# KiCad board tida_010057_imported.kicad_pcb (continued)
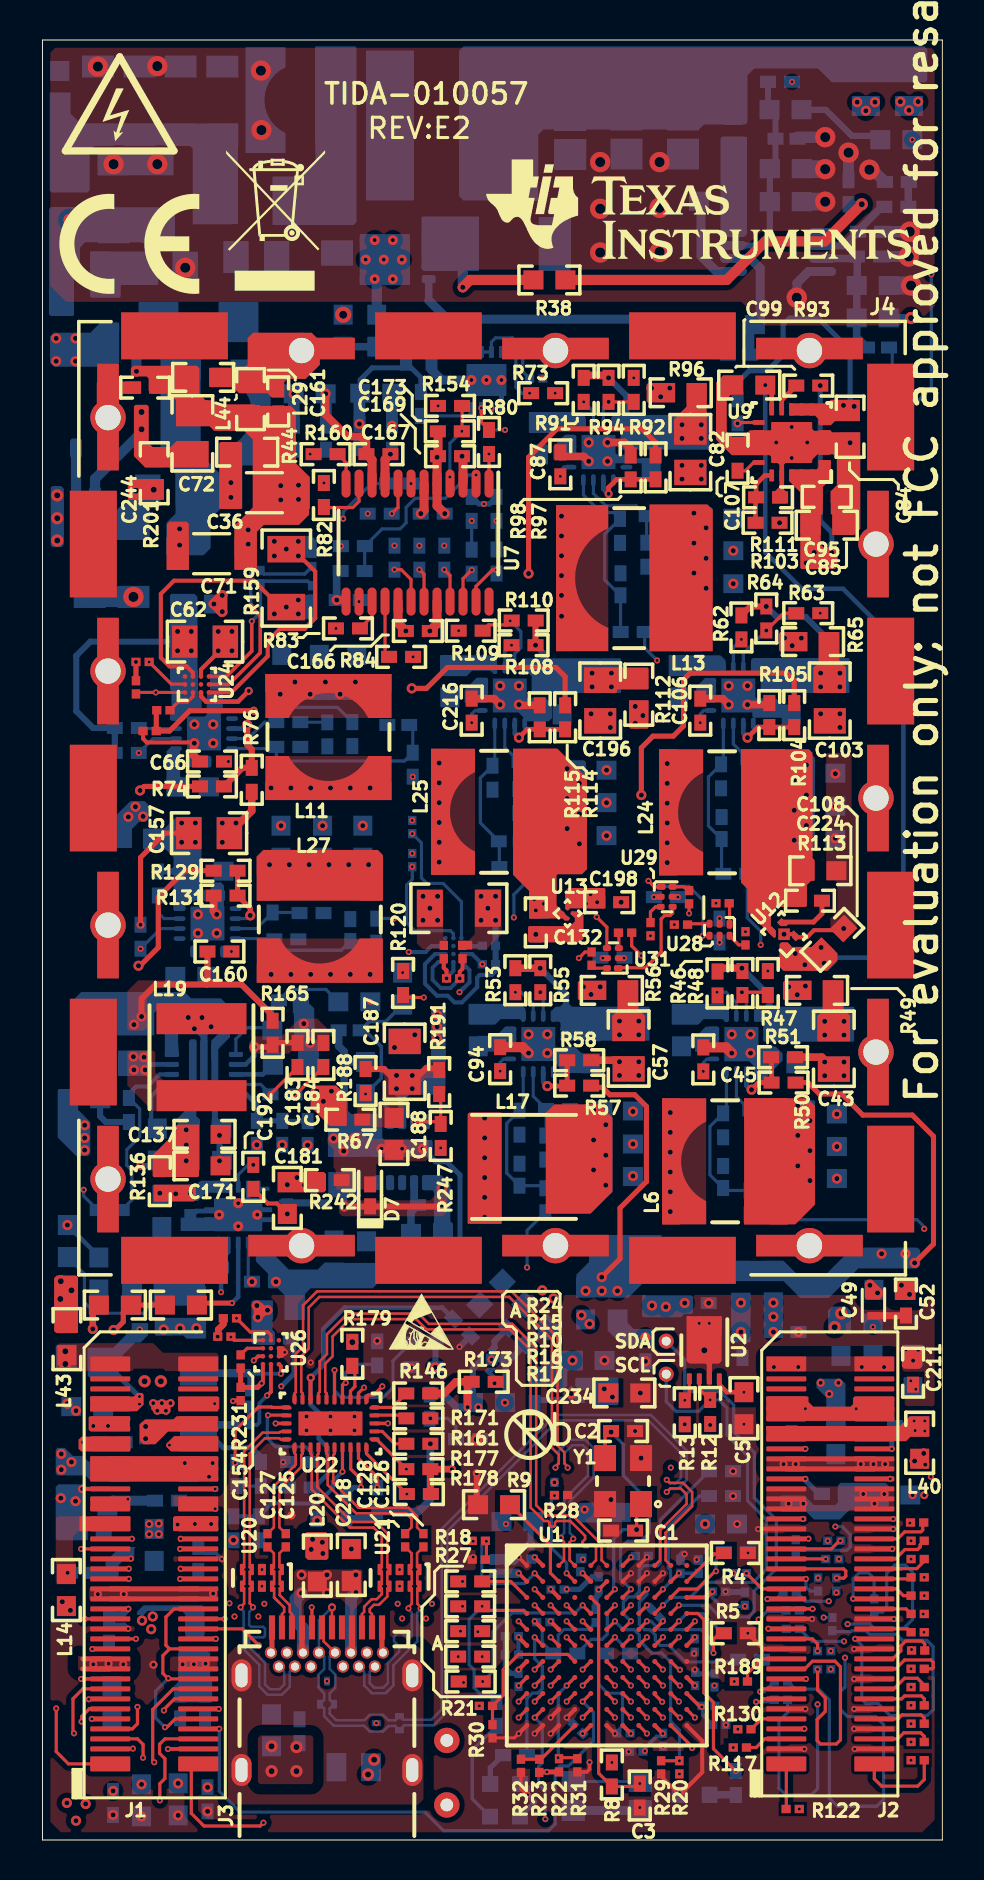
[diagram p0: board, top side]
## Copper pours and planes (outline as drawn; the poured copper is in the pictures) (continued)
HVP on Bottom Layer: 36.35,24.23 36.5,24.38 37.26,24.38 37.59,24.71 42.27,24.71 42.32,24.66 42.32,23.52 42.19,23.39 40.31,23.39 40.1,23.6 38.58,23.6 38.38,23.39 36.45,23.39 36.35,23.5
I2C_1V8 on Bottom Layer (solid shape): 29.26,25.86 29.57,25.55 30.48,25.55 30.51,25.53 30.51,24.77 30.45,24.71 29.01,24.71 28.27,25.45 28.27,26.52 29.26,26.52
NetC22_1 on Bottom Layer (solid shape): 35.26,88.24 35.59,88.57 38.79,88.57 39.47,87.88 44.15,87.88 44.25,87.99 44.25,89.53 44.09,89.69 21.06,89.69 20.83,89.46 20.83,82.19 21.06,81.97 24.79,81.97 24.79,85.27 25.04,85.52 32.82,85.52 33.07,85.78 35.14,85.78 35.26,85.89
NetC25_1 on Bottom Layer (solid shape): 11.51,80.75 15.54,80.75 15.7,80.9 15.7,89.64 15.65,89.69 13.67,89.69 13.64,89.66 13.64,84.86 13.65,84.85 13.65,83.99 12.85,83.18 11.51,83.19
NetC25_2 on Bottom Layer: 11.18,77.5 11.02,77.65 11.02,80.06 11.18,80.21 15.98,80.21 16.18,80.42 16.18,89.48 18.57,89.48 18.59,89.46 18.59,81.94 18.44,81.79 18.44,77.57 18.36,77.5
NetC26_2 on Bottom Layer (solid shape): 35.18,85.17 35.23,85.12 35.23,80.31 35.08,80.16 34.11,80.16 33.91,80.37 33.91,85.09 33.99,85.17
NetC30_1 on Bottom Layer (solid shape): 9.78,80.8 7.54,80.8 7.52,80.82 7.52,84.56 7.34,84.73 2.62,84.73 2.36,84.48 2.36,82.5 2.24,82.37 0.46,82.37 0.36,82.47 0.36,87.38 1.4,87.38 1.4,86.33 1.91,85.83 9.78,85.83
NetC35_1 on Bottom Layer: 9.32,68.81 9.35,68.78 11.58,68.78 11.61,68.81 11.61,76.15 10.51,77.25 10.51,80.17 10.41,80.26 8.61,80.26 8.46,80.11 8.46,74.55 9.32,73.69
NetC36_2 on Top Layer (solid shape): 6.22,65.79 6.35,65.91 7.21,65.91 7.32,65.81 7.32,63.5 6.22,63.5
NetC36_2 on Top Layer (solid shape): 8.92,69.9 9.91,69.9 9.98,69.82 9.98,66.57 8.84,66.57 8.84,69.82
NetC36_2 on Bottom Layer (solid shape): 6.21,65.54 6.21,65.87 6.65,66.32 6.65,68.28 6.21,68.72 5.91,68.72 5.91,74.02 7.91,74.02 7.91,69.28 9.02,68.17 9.98,68.17 9.98,66.55 8.89,66.55 8.41,66.07 8.41,64.59 8.05,64.24 6.2,64.24 6.2,65.53
NetC39_1 on Bottom Layer (solid shape): 34.32,41.55 34.06,41.81 31.47,41.81 31.47,40.79 31.5,40.77 32.79,40.77 33.07,41.05 34.01,41.05 34.14,40.92 34.26,40.92 34.32,40.97
NetC39_2 on Bottom Layer (solid shape): 33.17,40.67 33.76,40.67 33.83,40.59 33.83,39.5 33.76,39.42 32.64,39.42 32.64,40.13
NetC39_2 on Top Layer: 30.99,30.78 33.19,30.78 33.19,37.08 30.99,37.08
NetC39_2 on Bottom Layer: 30.96,30.81 30.99,30.78 33.02,30.78 33.02,37.7 32.61,38.11 32.61,39.22 32.82,39.42 33.81,39.42 33.86,39.47 33.86,40.64 33.83,40.67 33.3,40.67 32.84,40.21 31.5,40.21 30.96,39.67
NetC41_1 on Top Layer (solid shape): 38.76,41.21 39.01,41.47 39.01,42.96 39.04,42.99 40.03,42.99 40.06,42.96 40.06,41.54 40.39,41.21 40.39,39.94 38.76,39.94
NetC41_1 on Bottom Layer (solid shape): 36.38,41.9 36.6,41.67 40.56,41.67 40.59,41.64 40.59,39.97 40.54,39.92 36.09,39.92 36.04,39.97 36.04,40.81 35.93,40.92 35.64,40.92 35.59,40.97 35.59,41.64 35.61,41.67 36.09,41.67 36.31,41.9
NetC46_1 on Top Layer (solid shape): 35.09,37.08 38.25,37.08 38.63,36.7 38.63,31.78 37.64,30.78 35.09,30.78
NetC46_1 on Bottom Layer (solid shape): 38.58,36.98 38.63,36.93 38.63,32.56 38.58,32.51 37.54,32.51 37.49,32.56 37.49,36.93 37.54,36.98
NetC46_1 on Bottom Layer (solid shape): 34.44,28.96 37.06,28.96 37.77,28.24 39.14,28.24 40.51,29.62 43.76,29.62 43.89,29.49 43.89,28.73 43.74,28.58 40.79,28.58 39.32,27.1 37.9,27.1 37.06,27.94 34.44,27.94
NetC46_1 on POWER1: 39.47,28.98 39.9,28.55 44.12,28.55 44.55,28.98 44.55,36.88 44.22,37.21 37.26,37.21 37.08,37.03 37.08,30.99 37.21,30.86 38.94,30.86 39.47,30.33
NetC54_1 on Bottom Layer (solid shape): 24.16,41.55 23.9,41.81 21.31,41.81 21.31,40.79 21.34,40.77 22.63,40.77 22.91,41.05 23.88,41.05 24,40.92 24.08,40.92 24.16,41
NetC54_2 on Top Layer (solid shape): 22.91,36.37 22.96,36.32 22.96,30.84 22.94,30.81 21.29,30.81 21.26,30.84 21.26,36.3 21.34,36.37
NetC54_2 on Bottom Layer (solid shape): 21.79,40.21 22.68,40.21 23.14,40.67 23.62,40.67 23.7,40.59 23.7,39.55 23.57,39.42 21.79,39.42
NetC54_2 on Bottom Layer: 20.8,34.08 21.34,33.54 21.34,30.84 21.39,30.78 22.74,30.78 22.83,30.87 22.83,37.73 22.45,38.11 22.45,39.22 22.66,39.42 23.65,39.42 23.7,39.47 23.7,40.56 23.62,40.64 23.11,40.64 22.68,40.21 21.34,40.21 20.8,39.67
NetC56_1 on Top Layer (solid shape): 28.5,41.21 28.75,41.47 28.75,42.96 28.78,42.99 29.77,42.99 29.79,42.96 29.79,41.54 30.12,41.21 30.12,39.94 28.5,39.94
NetC56_1 on Bottom Layer (solid shape): 25.88,41.67 26.07,41.86 26.28,41.86 26.47,41.67 30.33,41.67 30.35,41.64 30.35,39.97 25.97,39.97 25.91,40.03 25.91,40.84 25.83,40.92 25.48,40.92 25.43,40.97 25.43,41.43 25.67,41.67
NetC59_1 on Bottom Layer (solid shape): 6.2,52.2 6.22,52.17 7.19,52.17 7.21,52.2 7.21,53.09 7.19,53.11 6.96,53.11 6.88,53.19 6.88,54.64 6.4,54.64 6.2,54.43
NetC59_2 on Top Layer: 17.45,51.99 17.45,54.2 11.15,54.2 11.15,51.99
NetC59_2 on Bottom Layer: 9.98,53.16 10.24,53.42 16.9,53.42 17.02,53.3 17.02,52.2 16.71,51.89 8.08,51.89 7.8,52.17 7.8,53.34 7.49,53.64 7.32,53.64 7.32,54.18 7.34,54.2 8.38,54.2 8.43,54.15 8.43,53.52 8.79,53.16
NetC61_1 on Bottom Layer (solid shape): 16.1,57.01 16.21,57.11 16.21,58.15 16.13,58.23 11.58,58.23 11.48,58.13 11.48,57.09 11.56,57.01
NetC61_1 on Bottom Layer (solid shape): 2.01,19.2 2.29,18.92 4.27,18.92 4.27,17.96 2.41,17.96 2.15,18.22 0.75,18.22 0.66,18.31 0.66,19.51 0.76,19.61 1.12,19.61 1.52,19.2
NetC61_1 on Top Layer: 11.15,56.1 11.15,58.29 17.45,58.29 17.45,56.1
NetC61_1 on POWER3: 16.05,58.8 2.26,58.8 0.38,56.92 0.38,18.44 0.86,17.96 7.77,17.96 8.48,18.67 8.48,51.31 9.86,52.68 16.08,52.68 16.64,53.24 16.64,58.22
NetC62_1 on Bottom Layer (solid shape): 6.38,60.25 6.17,60.05 6.17,59.8 6.38,59.6 6.38,57.53 6.45,57.45 6.45,56.31 6.38,56.24 6.38,56.06 6.43,56.01 6.96,56.01 6.96,56.21 7.19,56.44 7.87,56.44 7.95,56.52 7.95,56.95 7.77,57.12 7.77,58.47 7.75,58.5 7.75,62.15 7.59,62.31 6.45,62.31 6.38,62.23
NetC72_1 on Top Layer (solid shape): 6.4,69.65 6.71,69.95 8.31,69.95 8.31,68.68 8.26,68.63 5.13,68.63 4.57,69.19 4.57,71.68 4.65,71.76 5.23,71.76 5.31,71.68 5.31,69.85 5.51,69.65
NetC79_1 on Bottom Layer: 7.11,43.38 6.86,43.64 6.86,44.86 6.96,44.96 7.02,44.96 7.02,45.19 6.38,45.19 6.12,44.93 6.12,42.72 7.11,42.72
NetC79_2 on Top Layer: 17.02,42.87 17.02,45.07 10.72,45.07 10.72,45.07 10.72,42.87
NetC79_2 on Bottom Layer: 8.61,44.1 8.85,43.86 9.29,43.86 9.43,44 9.62,44 9.79,44.17 16.36,44.17 16.69,43.84 16.69,42.88 16.51,42.7 7.72,42.7 7.72,43.64 7.39,43.97 7.39,44.65 7.42,44.68 8.59,44.68 8.61,44.65
NetC80_1 on Bottom Layer (solid shape): 27.17,71.15 26.91,71.4 24.32,71.4 24.32,70.38 24.35,70.36 25.64,70.36 25.92,70.64 26.87,70.64 26.97,70.54 27.13,70.54 27.17,70.57
NetC80_2 on Bottom Layer (solid shape): 26.12,70.26 26.59,70.26 26.7,70.15 26.7,69.14 26.59,69.04 25.54,69.04 25.54,69.67
NetC80_2 on Top Layer: 25.68,59.44 28.3,59.44 28.3,66.74 25.68,66.74
NetC80_2 on Bottom Layer: 25.74,60.89 27.46,60.89 27.74,61.17 27.74,65.86 26.7,66.9 25.74,66.9 25.46,67.18 25.46,68.83 25.67,69.04 26.59,69.04 26.7,69.14 26.7,70.18 26.64,70.23 26.1,70.23 25.69,69.82 24.26,69.82 23.8,69.37 23.8,64.58 25.45,62.93 25.45,61.18
NetC81_1 on Top Layer (solid shape): 32.21,71.67 32.21,72.85 33.21,72.85 33.21,69.77 31.59,69.77 31.59,71.04
NetC81_1 on Bottom Layer (solid shape): 29.49,71.26 29.33,71.42 29.09,71.42 28.93,71.26 28.56,71.26 28.45,71.15 28.45,70.56 28.5,70.51 28.77,70.51 28.93,70.35 28.93,69.6 29.01,69.52 33.32,69.52 33.36,69.56 33.36,71.23 33.34,71.26
NetC83_1 on Top Layer (solid shape): 33.52,59.44 30.35,59.44 30.35,66.78 33.25,66.78 33.52,66.51
NetC83_1 on Top Layer (solid shape): 37.34,71.83 39.24,71.83 39.42,72.01 40.87,72.01 40.87,70.94 39.62,70.94 39.42,70.74 38.86,70.74 38.81,70.79 38.81,71.04 38.63,71.22 37.34,71.22
NetC83_1 on Bottom Layer (solid shape): 40.87,72.01 40.87,70.94 39.8,70.94 39.7,71.05 39.7,71.9 39.8,72.01
NetC83_1 on Bottom Layer (solid shape): 32.31,62.08 32.36,62.03 33.45,62.03 33.53,62.1 33.53,66.55 33.43,66.65 32.39,66.65 32.31,66.57
NetC83_1 on POWER3: 34.92,62.08 35.48,62.64 35.48,65.74 40.94,71.2 40.94,72.18 40.81,72.31 34.24,72.31 30.61,68.68 30.61,62.51 31.04,62.08
NetC96_1 on Top Layer (solid shape): 25.6,36.78 27.84,36.78 28.5,36.12 28.5,32.41 27.41,31.32 25.2,31.32 25.17,31.34 25.17,36.35
NetC96_1 on Bottom Layer (solid shape): 27.28,32.36 27.33,32.31 28.42,32.31 28.5,32.39 28.5,36.83 28.4,36.93 27.36,36.93 27.28,36.86
NetC96_1 on Bottom Layer (solid shape): 27.58,30.25 27.33,30 27.33,28.91 26.7,28.27 26.7,27.13 29.31,27.13 30.02,27.84 30.96,27.84 30.96,30.25
NetC96_1 on Bottom Layer (solid shape): 8.1,11.61 7.98,11.73 5.05,11.73 4.72,11.4 4.72,11.25 5.05,11.25 5.26,11.46 6.96,11.46 7.14,11.28 7.14,10.29 8.1,10.29
NetC96_1 on Bottom Layer: 5.33,9.98 4.72,10.59 4.72,11.25 5.11,11.63 7.9,11.63 8.1,11.43 8.1,9.98
NetC96_1 on POWER1: 29.03,32.69 29.77,31.95 29.77,27.47 29.27,26.97 27.05,26.97 26.8,27.23 26.8,31.01 25.78,32.03 25.78,36.42 26.14,36.78 28.91,36.78 29.03,36.65
NetC96_1 on POWER3: 16.07,34.91 16.07,27.14 15.01,26.09 15.01,13.13 13.41,11.53 4.95,11.53 4.47,11.05 4.47,2.9 5.46,1.91 18.62,1.91 19.71,3 19.71,14.71 20.55,15.54 20.55,26.29 21.95,27.69 26.29,27.69 27.51,28.91 29.77,28.91 30.2,29.34 30.2,36.78 29.9,37.08 18.24,37.08
NetC102_1 on Bottom Layer (solid shape): 34.16,58.98 33.91,59.23 31.32,59.23 31.32,58.22 31.34,58.19 32.64,58.19 32.92,58.47 33.86,58.47 33.99,58.34 34.11,58.34 34.16,58.39
NetC102_2 on Top Layer: 30.84,48.23 33.04,48.23 33.04,54.53 30.84,54.53
NetC102_2 on Bottom Layer: 30.81,48.26 30.83,48.23 32.66,48.23 32.66,55.36 32.46,55.56 32.46,56.67 32.66,56.87 33.66,56.87 33.68,56.9 33.68,58.04 33.63,58.09 33.12,58.09 32.69,57.66 31.34,57.66 30.81,57.12
NetC103_1 on Top Layer (solid shape): 38.56,58.62 38.81,58.88 38.81,60.38 38.84,60.4 39.83,60.4 39.85,60.38 39.85,58.95 40.18,58.62 40.18,57.35 38.56,57.35
NetC103_1 on Bottom Layer (solid shape): 39.48,59.26 39.65,59.09 40.34,59.09 40.36,59.07 40.36,57.39 40.32,57.35 35.99,57.35 35.92,57.43 35.92,58.19 35.76,58.34 35.51,58.34 35.43,58.42 35.43,59 35.52,59.09 39.1,59.09 39.26,59.26
NetC110_1 on Top Layer (solid shape): 36.63,45.26 36.53,45.16 35.26,46.43 35.26,47.55 34.94,47.87 34.94,54.53 38.33,54.53 38.51,54.36 38.51,49.1 38.61,49 38.61,47.98 38.58,47.96 38.43,47.96 38.23,47.75 38.23,46.71 38.18,46.66 36.74,46.66 36.42,46.34 36.42,45.71 36.63,45.51
NetC110_1 on Bottom Layer (solid shape): 38.63,54.1 38.51,54.23 37.36,54.23 37.24,54.1 37.24,49.66 37.36,49.53 38.51,49.53 38.63,49.66
NetC116_1 on Bottom Layer (solid shape): 7.72,40.31 7.23,40.31 7.03,40.51 7.04,40.95 7.04,41.25 7.16,41.38 8.1,41.38 8.69,40.79 8.69,40.56 8.53,40.41 8.41,40.41 8.26,40.26 8.26,36.6 8.18,36.53 7.98,36.53 7.9,36.6 7.9,40.13
NetC116_2 on Bottom Layer (solid shape): 6.8,39.75 6.78,39.77 6.78,41 6.02,41 5.99,40.97 5.99,40.38 6.12,40.25 6.12,39.19 6.15,39.17 6.81,39.17
NetC117_1 on Top Layer: 10.19,38 6.02,38 5.64,38.38 5.64,39.4 5.56,39.47 4.34,39.47 4.24,39.37 4.24,37.72 5.51,36.45 10.19,36.45
NetC117_1 on Bottom Layer: 2.82,36.12 2.36,36.58 2.36,37.8 1.96,38.2 1.55,38.2 1.55,39.47 5.16,39.47 5.74,38.89 6.78,38.89 6.78,38.66 5.66,38.66 5.21,38.2 3.76,38.2 3.4,37.85 3.4,36.6 2.92,36.12
NetC120_1 on Top Layer (solid shape): 6.68,35.41 5.51,34.24 5.51,33.2 5.56,33.15 7.77,33.15 7.82,33.2 7.82,35.76 6.73,35.76 6.68,35.71
NetC120_1 on Bottom Layer (solid shape): 6.76,36.09 7.34,36.68 7.34,39.95 7.42,40.03 7.65,40.03 7.7,39.98 7.7,36.2 7.87,36.02 7.87,33.48 6.76,33.48
NetC121_1 on Bottom Layer (solid shape): 8.13,27.03 7.82,26.72 5.74,26.72 5.56,26.9 5.56,29.36 5.69,29.49 7.19,29.49 7.85,30.15 8.89,30.15 8.89,29.54 8.52,29.54 8.13,29.15
NetC129_1 on Top Layer: 9.65,9.65 18.8,9.65 19.05,9.4 19.05,2.03 18.8,1.78 9.53,1.78 9.27,2.03 9.27,9.27
NetC129_1 on Bottom Layer: 9.4,9.65 18.8,9.65 19.05,9.4 19.05,2.03 18.8,1.78 9.4,1.78 9.14,2.03 9.14,9.4
NetC132_1 on Top Layer (solid shape): 27.23,48.54 26.97,48.29 25.76,48.29 25.7,48.23 25.7,46.74 26.37,46.08 26.37,46.05 26.29,45.97 26.11,45.97 26.01,46.08 24.36,46.08 24.33,46.1 24.33,47.46 23.53,48.26 23.53,54.56 25.76,54.56 27.23,53.09
NetC132_1 on Bottom Layer (solid shape): 25.38,46.13 25.3,46.05 24.33,46.05 24.33,47.16 24.44,47.27 25.33,47.27 25.38,47.22
NetC132_1 on Bottom Layer (solid shape): 25.96,49.4 26.01,49.35 27.1,49.35 27.18,49.43 27.18,53.87 27.08,53.98 26.04,53.98 25.96,53.9
NetC157_1 on Bottom Layer (solid shape): 6.55,48.67 6.43,48.54 6.43,48.34 6.55,48.21 6.55,46.51 6.6,46.46 7.09,46.46 7.14,46.51 7.14,46.69 7.42,46.96 8.13,46.96 8.13,47.45 7.95,47.62 7.95,51.16 6.68,51.16 6.1,50.57 5.03,50.57 5.03,49.58 5.08,49.53 6.17,49.53 6.55,49.15
NetC164_1 on Bottom Layer (solid shape): 26.87,22.5 27.43,22.5 27.51,22.43 27.51,21.84 27.61,21.74 28.75,21.74 28.8,21.79 28.8,23.06 28.75,23.11 26.7,23.11 26.64,23.06 26.64,22.73
NetC164_1 on Signal Layer 1 (solid shape): 28.68,23.5 27.84,22.66 27.84,22.45 28.4,21.89 28.68,21.89 29.01,22.23 29.01,23.36 28.87,23.5
NetC176_1 on Bottom Layer (solid shape): 22.73,58.98 22.48,59.23 19.89,59.23 19.89,58.22 19.91,58.19 21.21,58.19 21.49,58.47 22.39,58.47 22.56,58.31 22.71,58.31 22.73,58.33
NetC176_2 on Bottom Layer (solid shape): 21.72,58.12 22.23,58.12 22.28,58.06 22.28,56.92 22.23,56.87 21.11,56.87 21.11,57.51
NetC176_2 on Top Layer: 19.43,48.26 21.63,48.26 21.63,54.56 19.43,54.56
NetC176_2 on Bottom Layer: 19.38,48.26 19.41,48.23 21.41,48.23 21.41,55.18 21.03,55.56 21.03,56.67 21.23,56.87 22.23,56.87 22.28,56.92 22.28,58.09 22.25,58.12 21.72,58.12 21.26,57.66 19.91,57.66 19.38,57.12
NetC181_1 on Top Layer (solid shape): 11.76,33.4 14.07,33.4 14.17,33.3 14.17,32.49 14.07,32.39 11.76,32.39
NetC181_1 on Bottom Layer: 10.67,32.94 11.13,33.4 13.23,33.4 13.39,33.25 13.39,32.6 13.25,32.46 11.02,32.46 10.92,32.36 10.69,32.36 10.67,32.39
NetC187_1 on Bottom Layer (solid shape): 20.14,37.36 20.04,37.26 18.34,37.26 18.19,37.11 18.19,35.61 18.14,35.56 17.83,35.56 17.78,35.61 17.78,37.08 17.58,37.29 17.32,37.29 17.32,38.53 20.07,38.53 20.14,38.46
NetC187_1 on Top Layer: 15.6,35.93 15.78,35.74 16.38,35.74 16.48,35.64 18.06,35.64 18.06,37.03 18.26,37.24 18.9,37.24 18.92,37.26 18.92,37.87 19.15,38.1 20.14,38.1 20.14,38.89 19.25,38.89 18.9,38.53 17.32,38.53 17.14,38.71 16.94,38.71 16.88,38.65 16.88,38.4 17.09,38.19 17.09,36.73 17.04,36.68 15.7,36.68 15.6,36.58
NetC188_2 on Bottom Layer (solid shape): 19.51,34.95 19.46,35 17.09,35 16.99,35.1 16.99,36.22 16.92,36.3 15.44,36.3 15.27,36.47 14.91,36.47 14.27,35.84 14.27,34.16 19.46,34.16 19.51,34.21
NetC188_2 on Top Layer: 16.69,32.51 16.69,33.76 16.87,33.93 19.15,33.93 19.3,34.09 19.3,34.95 19.2,35.05 16.28,35.05 15.93,35.41 14.38,35.41 14.25,35.28 14.25,34.85 14.55,34.54 14.55,32.69 14.73,32.51
NetC190_2 on Bottom Layer (solid shape): 11.33,27.58 11.76,27.58 12.12,27.23 12.12,26.01 13.11,26.01 13.13,26.04 13.13,27.31 13.41,27.58 16.51,27.58 16.74,27.81 16.74,28.83 16.71,28.85 14.1,28.85 13.77,28.52 12.32,28.52 11.63,29.21 11.63,29.95 11.46,30.12 10.67,30.12 10.67,28.93 11.28,28.32 11.28,27.64
NetC196_1 on Top Layer (solid shape): 27.09,58.62 30.25,58.62 30.3,58.57 30.3,57.56 30.28,57.53 28.75,57.53 28.73,57.51 28.73,57.38 28.7,57.35 27.09,57.35
NetC196_1 on Bottom Layer (solid shape): 25.23,59.15 25.3,59.08 25.32,59.08 28.92,59.08 28.93,59.07 28.93,57.39 28.89,57.35 24.54,57.35 24.46,57.43 24.46,58.19 24.33,58.32 24.05,58.32 23.98,58.39 23.98,58.98 24.08,59.08 24.89,59.08 24.96,59.15
NetC198_1 on Top Layer (solid shape): 28.09,47.6 28.14,47.55 28.14,46.58 26.37,46.58 26.29,46.51 26.21,46.51 26.14,46.58 26.14,47.45 26.29,47.6
NetC198_1 on Bottom Layer (solid shape): 28.09,47.6 28.14,47.55 28.14,46.58 27.03,46.58 26.95,46.66 26.95,47.55 27,47.6
NetC198_1 on Bottom Layer: 2.34,0.69 2.49,0.84 2.49,3.45 3.96,4.93 3.96,6.55 3,6.55 3,6.01 0.86,3.88 0.86,0.97 1.14,0.69
NetC198_1 on POWER3: 15.72,35.94 15.72,27.17 14.5,25.94 14.5,13.21 13.33,12.04 4.9,12.04 4.09,11.23 4.09,3.78 4.37,3.51 4.37,0.66 4.09,0.38 0.74,0.38 0.48,0.64 0.48,15.98 1.85,17.35 8.43,17.35 9.5,18.41 9.5,45.82 11.61,47.93 28.22,47.93 28.3,47.9 28.75,47.45 28.75,39.14 27.89,38.28 18.06,38.28
NetC208_2 on Top Layer (solid shape): 6.07,68.05 4.37,68.05 4.27,67.95 4.27,67.08 4.34,67.01 6.07,67.01
NetC208_2 on Bottom Layer (solid shape): 4.37,67.16 3.33,66.12 2.34,66.12 2.24,66.01 2.24,65.07 2.31,65 5.08,65 5.36,65.28 5.36,66.52 5.89,67.06 5.89,68 5.74,68.15 4.65,68.15 4.37,67.87
NetC217_1 on Top Layer: 15.38,11.6 15.38,9.84 15.12,9.58 15.12,9.23 15.28,9.07 15.55,9.07 15.74,9.25 15.74,9.62 15.57,9.78 15.57,11.51 16,11.94 16,13.46 15.93,13.54 12.71,13.54 12.57,13.4 12.57,11.96 12.57,11.81 12.83,11.56 12.83,9.83 12.72,9.73 12.72,9.17 12.82,9.07 13.2,9.07 13.33,9.2 13.33,9.69 13.22,9.8 13.16,9.8 13.13,9.83 13.13,11.76 13.44,12.06 14.92,12.06
NetC217_1 on Bottom Layer: 12.75,9.25 12.75,9.7 12.71,9.75 12.32,10.13 12.32,13.21 12.7,13.59 15.88,13.59 16,13.46 16,9.96 15.68,9.64 15.68,9.22 15.56,9.1 15.3,9.1 15.15,9.24 15.15,9.59 14.94,9.8 14.94,11.56 14.53,11.96 13.34,11.96 13.13,11.76 13.13,11.46 13.41,11.18 13.41,9.63 13.31,9.53 13.31,9.26 13.15,9.1 12.91,9.1
NetC227_1 on Top Layer (solid shape): 10.72,49.17 11.05,49.5 16.76,49.5 17.02,49.25 17.02,46.98 10.72,46.97
NetC227_1 on Top Layer: 10.72,49.17 10.72,46.97 17.02,46.97 17.02,49.17
NetC227_1 on Bottom Layer: 16.48,49.63 16.61,49.5 16.61,48.23 16.59,48.21 11.07,48.21 11.05,48.23 11.05,49.48 11.2,49.63
NetC227_1 on POWER2: 5.08,19.61 5.08,20.35 5.82,21.08 6.43,21.08 6.43,48.44 7.52,49.53 16.59,49.53 18.11,48.01 18.11,14.81 16.69,13.39 5.21,13.39 4.47,14.12 4.47,19
NetC241_1 on Bottom Layer (solid shape): 5.79,79.43 2.39,79.43 2.39,77.17 2.44,77.11 3.86,77.11 3.91,77.17 3.91,77.7 3.96,77.75 5.74,77.75 5.79,77.8
NetL42_1 on Bottom Layer (solid shape): 40.43,25.3 40.43,26.44 40.19,26.68 39.49,26.68 39.28,26.47 39.28,25.3 39.28,25.3
NetL42_1 on Bottom Layer (solid shape): 0.38,75.18 0.56,75.36 2.39,75.36 2.9,75.87 3.84,75.87 3.84,73.86 3.63,73.66 0.58,73.66 0.38,73.86
NetL42_1 on POWER3: 39.24,66.41 42.2,69.38 42.2,73.01 39.42,75.79 3.91,75.79 3.43,75.31 3.43,73.46 3.15,73.18 0.48,73.18 0.32,73.34 0.33,79.84 1.55,81.05 42.98,81.05 44.63,79.4 44.63,25.35 44.32,25.04 39.58,25.04 39.24,25.39
NetL43_1 on Top Layer (solid shape): 0.58,28.09 0.71,28.22 1.68,28.22 1.78,28.12 1.78,25.35 0.69,25.35 0.58,25.45
NetL43_1 on Bottom Layer (solid shape): 0.41,64.74 0.51,64.64 0.94,64.64 1.07,64.77 1.07,67.56 0.94,67.69 0.48,67.69 0.41,67.61
NetL43_1 on Bottom Layer (solid shape): 1.09,28.14 1.68,27.56 1.68,27.41 1.14,26.87 0.94,26.87 0.64,27.18 0.64,27.97 0.69,28.02
NetL43_1 on POWER2: 0.69,26.62 0.41,26.9 0.41,69.7 0.51,69.8 2.18,69.8 2.36,69.62 2.36,32.39 3.38,31.37 3.38,26.85 3.15,26.62
NetQ1_1 on Bottom Layer (solid shape): 19.02,81.18 21.82,81.18 21.82,78.46 19.05,78.46 18.95,78.56 18.95,81.1
TX_5V on Top Layer (solid shape): 2.39,19.18 8.76,19.18 8.79,19.15 8.79,17.96 8.76,17.93 2.39,17.93
TX_5V on Bottom Layer (solid shape): 8.18,26.11 5.74,26.11 5.61,25.98 5.61,25.27 5.66,25.22 7.04,25.22 7.19,25.07 8.15,25.07 8.18,25.1
TX_5V on GND1: 9.4,25.81 9.04,26.16 6.02,26.16 5.79,25.93 5.79,18.11 6.07,17.83 9.14,17.83 9.4,18.08
TX_-5V on Top Layer (solid shape): 4.37,21.18 2.36,21.18 2.31,21.13 2.31,20.51 2.39,20.44 4.36,20.44 4.37,20.45
TX_-5V on Bottom Layer (solid shape): 10.52,26.95 10.54,26.97 11.51,26.97 11.51,25.5 11.61,25.4 11.61,24.77 10.54,24.77 10.44,24.87 10.44,26.9 10.52,26.97
TX_-5V on GND1: 5.28,23.57 4.67,22.96 4.67,19.96 4.29,19.58 0.89,19.58 0.38,20.09 0.38,26.67 3.05,29.34 11.73,29.34 12.83,28.24 12.83,26.7 11.9,25.77 10.53,25.77 9.65,26.64 5.82,26.64 5.28,26.11
VTX_5V on Top Layer (solid shape): 11.28,65.2 11.25,65.18 11.25,63.88 13.13,63.88 13.13,65.2
VTX_5V on Bottom Layer (solid shape): 19.43,41.48 19.51,41.55 20.07,41.55 20.17,41.45 20.17,38.89 19.43,38.89
VTX_5V on Bottom Layer (solid shape): 1.78,36.51 2.39,35.9 2.39,34.32 2.26,34.19 1.7,34.19 0.76,35.13 0.76,37.49 0.81,37.54 1.78,37.54
VTX_5V on Bottom Layer (solid shape): 13.46,65.2 13.72,64.95 13.72,64.11 13.13,64.11 12.95,63.93 11.48,63.93 11.33,64.08 11.33,65.05 11.48,65.2
VTX_5V on POWER1: 1.41,89.67 41.29,89.67 42.16,88.8 42.16,85.47 41.68,84.99 15.04,84.99 13.56,83.52 13.56,64.36 12.83,63.63 11.73,63.63 10.74,62.64 10.74,55.47 12.4,53.82 20.14,53.82 20.62,53.34 20.62,39.42 13.51,32.31 2.39,32.31 0,34.7 0,88.27

Small or netless copper shapes (teardrops, artwork), in the pictures only: 8 on Top Layer, 13 on Bottom Layer, 3 on Signal Layer 2

## Text on the board
M16 Courtyards Bottom: ${LAYER}
Bottom Layer: ${LAYER}
M6 Assembly Bottom: ${VERSIONCONTROL_REVNUMBER} | SVN REV: | GENERATED    : | TEXAS INSTRUMENTS | ${PCB_REV} | ${PRINT_TIME} | REV: | ${CURRENT_DATE} | ${PRJ_NUMBER} | ${TID} | BOARD #: | TID #: | ${LAYER} | ${PLOT_FILE_NAME} | PCB VIEWED FROM BOTTOM SIDE | PLOT NAME = | ${VARIANTNAME} | ASSEMBLY VARIANT: | COMPONENTS MARKED 'DNP' SHOULD NOT BE POPULATED.
Bottom Solder: ${LAYER}
Bottom Paste: ${LAYER}
Bottom Overlay: VBUS_USB | SDA | SCL | ${LAYER}
User.Drawings: FOR 7.87MIL DRILL +0/-7.87MIL | FOR 6MIL DRILL +0/-6MIL | FOR 8MIL DRILL +0/-8MIL | FOR 10MIL DRILL +0/-10MIL | FOR 12MIL DRILL +0/-12MIL | FOR 16MIL DRILL +0/-16MIL | FOR PTH DRILL +/-3MIL | ${LAYER} | 425 | 27 | 96 | 429 | 28 | 14 | 1 | 2 | 23 | 4 | 13 | 1064 Total | 6.00mil | 7.87mil | 8.00mil | 10.00mil | 12.00mil | 15.75mil | 16.00mil | 17.72mil | 20.00mil | 23.62mil | 25.00mil | 50.00mil | = Routed Path Length + Tool Size = Slot length as defined in the PCB layout | PTH | = Calculated from tool start centre position to tool end centre position. | Top Layer - Bottom Layer | DRILL TOLERANCE | Slot definitions : | Routed Path Length | Hole Length | Symbol | Count | Hole Size | Plated | Drill Layer Pair
M15 Courtyards Top: ${LAYER}
Top Layer: ${LAYER}
M18 Embedded Assembly: L19 | VBUS_USB | PGND | L25 | SDA | SCL | L24 | L6 | L27 | L11 | L17 | L13 | ${VERSIONCONTROL_REVNUMBER} | PLOT NAME = | ${PLOT_FILE_NAME} | BOARD #: | TID #: | GENERATED    : | ${CURRENT_DATE} | REV: | ${PRINT_TIME} | SVN REV: | TEXAS INSTRUMENTS | PCB VIEWED FROM TOP SIDE | ${LAYER} | ${PRJ_NUMBER} | ${TID} | ${PCB_REV} | ASSEMBLY VARIANT: | COMPONENTS MARKED 'DNP' SHOULD NOT BE POPULATED. | ${VARIANTNAME}
Top Solder: ${LAYER}
Top Paste: ${LAYER}
Top Overlay: A | REV:E2 | ${LAYER} | TIDA-010057
GND1: ${LAYER}
Signal Layer 1: ${LAYER}
GND2: ${LAYER}
POWER1: ${LAYER}
POWER2: ${LAYER}
GND4: ${LAYER}
POWER3: ${LAYER}
GND6: ${LAYER}
Signal Layer 2: ${LAYER}
GND7: ${LAYER}
M3 3D STEP Top: ${LAYER}
M4 3D STEP Bottom: ${LAYER}
M9 Title Sheet: PROJECT TITLE: | DESIGNED FOR: | FILE NAME: | ENGINEER: | LAYOUT BY: | ALTIUM DESIGNER VERSION: | or any information contained therein. TI and/or its licensors do not warrant that this design will meet | the specifications, will be suitable for your application or fit for any particular purpose, or will operate in | an implementation. TI and/or its licensors do not warrant that the design is production worthy. You should | Texas Instruments (TI) and/or its licensors do not warrant the accuracy or completeness of this specification | completely validate and test your design implementation to confirm the system functionality for your application. | TESSOLVE | A | B | C | D | 1 | 2 | 3 | 4 | 5 | ${PRJ_TITLE} | ${PRJ_CUSTOMER} | ${PCB_FILE_NAME_NO_PATH} | ${PRJ_ENGINEER} | ${PRINT_SCALE} | ${APPLICATION_BUILDNUMBER} | 6
M10 Fab Notes: OUTER XX MIL VIAS REQUIRE 50 OHM SINGLE-ENDED IMPEDANCE | MATERIAL: | DRILLING: | BOARD FINISH: | SURFACE FINISH: | ARRAY/PANEL: | CERTIFICATION: | ADDITIONAL REQUIREMENTS: | ALL BOARDS MUST MEET OR EXCEED UL94-V0 REQUIREMENTS. | PCB MUST BEAR THE UL94V-0 UL REGISTERED MATERIAL ID NUMBER | PTH COPPER THICKNESS: | MINIMUM ANNULAR RING | REGISTRATION TOLERANCES: | HOLE SIZE TOLERANCE (UNLESS OTHERWISE SPECIFIED): | THICKNESS: | TOLERANCE: | BOW & TWIST: | REFERENCE: | MICROSECTION: | BARE BOARD ELEC. TEST: | SILKSCREEN: | SILKSCREEN COLOR: | SOLDER RESIST COLOR: | XX MIL VIAS REQUIRE CONDUCTIVE FILL AND PLANARIZE | PER | IMM. TIN/SILVER OR EQUIV | X | MIN. TRACK WIDTH: | MIN. CLEARANCE: | MIN. VIA PAD SIZE: | FR-408 | ANSI IPC-A-600F CLASS -> | IPC-D-275 CLASS 2 LEVEL C | MATERIALS AND WORKMANSHIP FOR ALL PCBS | TO MEET OR EXCEED THE REQUIREMENTS OF: | 66.564MIL (1.690mm) +/-10% | AS SHOWN | YES | FR-4 High Tg | DESIGN INFORMATION | IMMERSION GOLD (ENIG) | N.C. ROUTE | CUT AND TRIM PER M1 BOARD OUTLINE | 0.05mm (2MIL) | OTHER +/- | ANSI IPC-6012 TYPE 3 CLASS 2 | TOP | WHITE | METAL | RoHS | 20-30 um | BLUE | MATTE | NONE | 4.72 | 12 | 4 | +/- | MIL | BOTTOM | OTHER | NC_DRILL FILES | EXTERNAL | REQUIRED | 5 | V. SCORE | 1 | SEMI-GLOSS | MIL, HOLES | 2 | PER ORDER | ENEPIG | 3 | ALL VIAS ARE  TENTED,EXCEPT VIAS ON PAD AND THERMAL VIAS. | THIS IS AN IMPEDANCE CONTROL BOARD. | VIA FILLING  WITH CONDUCTIVE MATERIAL IS REQUIRED. | Layer | 6 | 7 | 8 | 9 | 10 | 11 | 13 | 14 | 15 | 16 | 17 | 18 | 19 | 20 | 21 | 22 | 23 | 24 | 25 | 26 | 27 | Name | Top Overlay | Top Solder | Top Layer | Dielectric1 | GND1 | Dielectric 2 | Signal Layer 1 | Dielectric 3 | GND2 | Dielectric 4 | POWER1 | Dielectric 5 | POWER2 | Dielectric 6 | GND4 | Dielectric 7 | POWER3 | Dielectric 8 | GND6 | Dielectric 9 | Signal Layer 2 | Dielectric 10 | GND7 | Dielectric 12 | Bottom Layer | Bottom Solder | Bottom Overlay | Material | Solder Resist | Copper | FR-4 High_Tg | Thickness | 1.00mil | 2.60mil | 4.16mil | 0.71mil | 4.49mil | 5.73mil | 4.13mil | 0.72mil | Constant | 3.5 | 4.2 | Board Layer Stack | VENDOR MAY ADJUST SOLDERMASK WHEREVER SOLDAR MASK PADS ARE THE SAME SIZE (1:1) AS PER THE MANUFACTURING CAPABILITIES  AND ALL OTHER SOLDER MASK PADS SHALL NOT BE MODIFIED. | LAYER 2 & 3 (INNER LAYERS) XX MIL WIDE, XX MIL SPACE / TRACES REQUIRE 100 OHM DIFFERENTIAL IMPEDANCE | XX MIL VIAS REQUIRE NON-CONDUCTIVE FILL AND PLANARIZE
M11 Gerber Information: LAYER NAME = | PLOT NAME = | ${PLOT_FILE_NAME} | BOARD #: | TID #: | GENERATED    : | ${CURRENT_DATE} | REV: | ${PRINT_TIME} | SVN REV: | TEXAS INSTRUMENTS | ALL ARTWORK VIEWED FROM TOP SIDE | ${TID} | ${PRJ_NUMBER} | ${PCB_REV} | ${VERSIONCONTROL_REVNUMBER}
M12 Stackup: IMPEDANCE TOLERANCE:+/-10% | IMPEDANCE TABLE: | TOP LAYER | SIGNAL LAYER 1 | SIGNAL LAYER 2 | BOTTOM LAYER | LAYER NAME | IMPEDANCE | 50 OHM | 90 OHM | TRACE WIDTH | 6.25 MIL | 5 MIL | 4 MIL | SEPARATION | 6 MIL | REFERENCE LAYER | GND1 | GND2 | GND7
M13 Component Bodies Top: ${LAYER}
M14 Component Bodies Bottom: ${LAYER}
M17 Embedded Cavity: ${LAYER}
M19 Embedded Keepout: ${LAYER}
